# KiCad board Womo.kicad_pcb
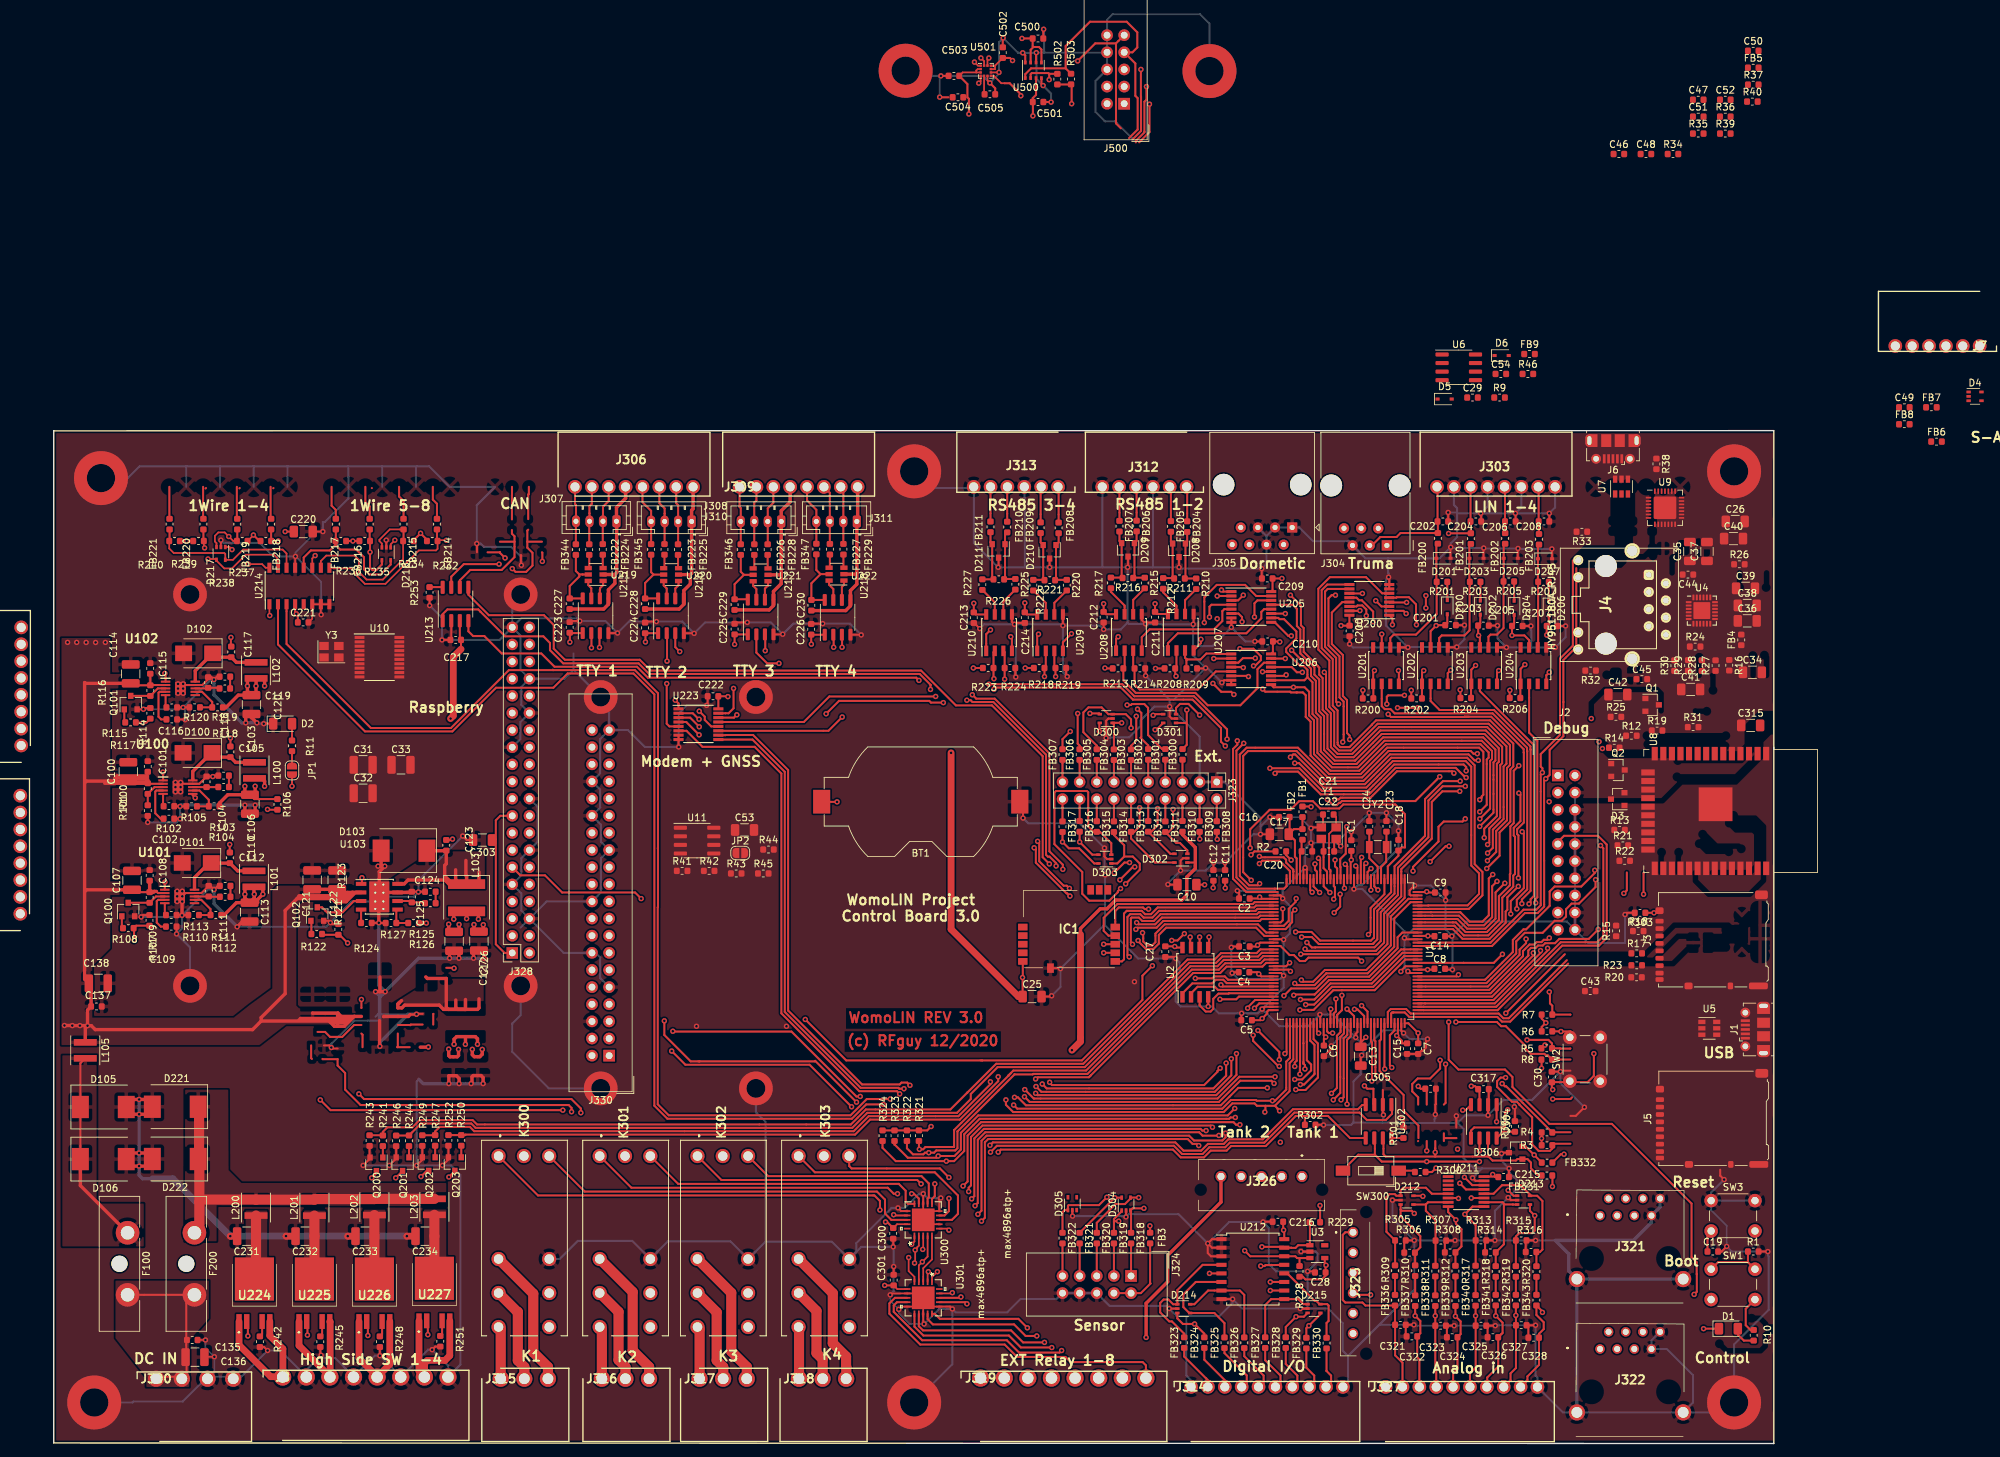
[diagram p0: board, top side]
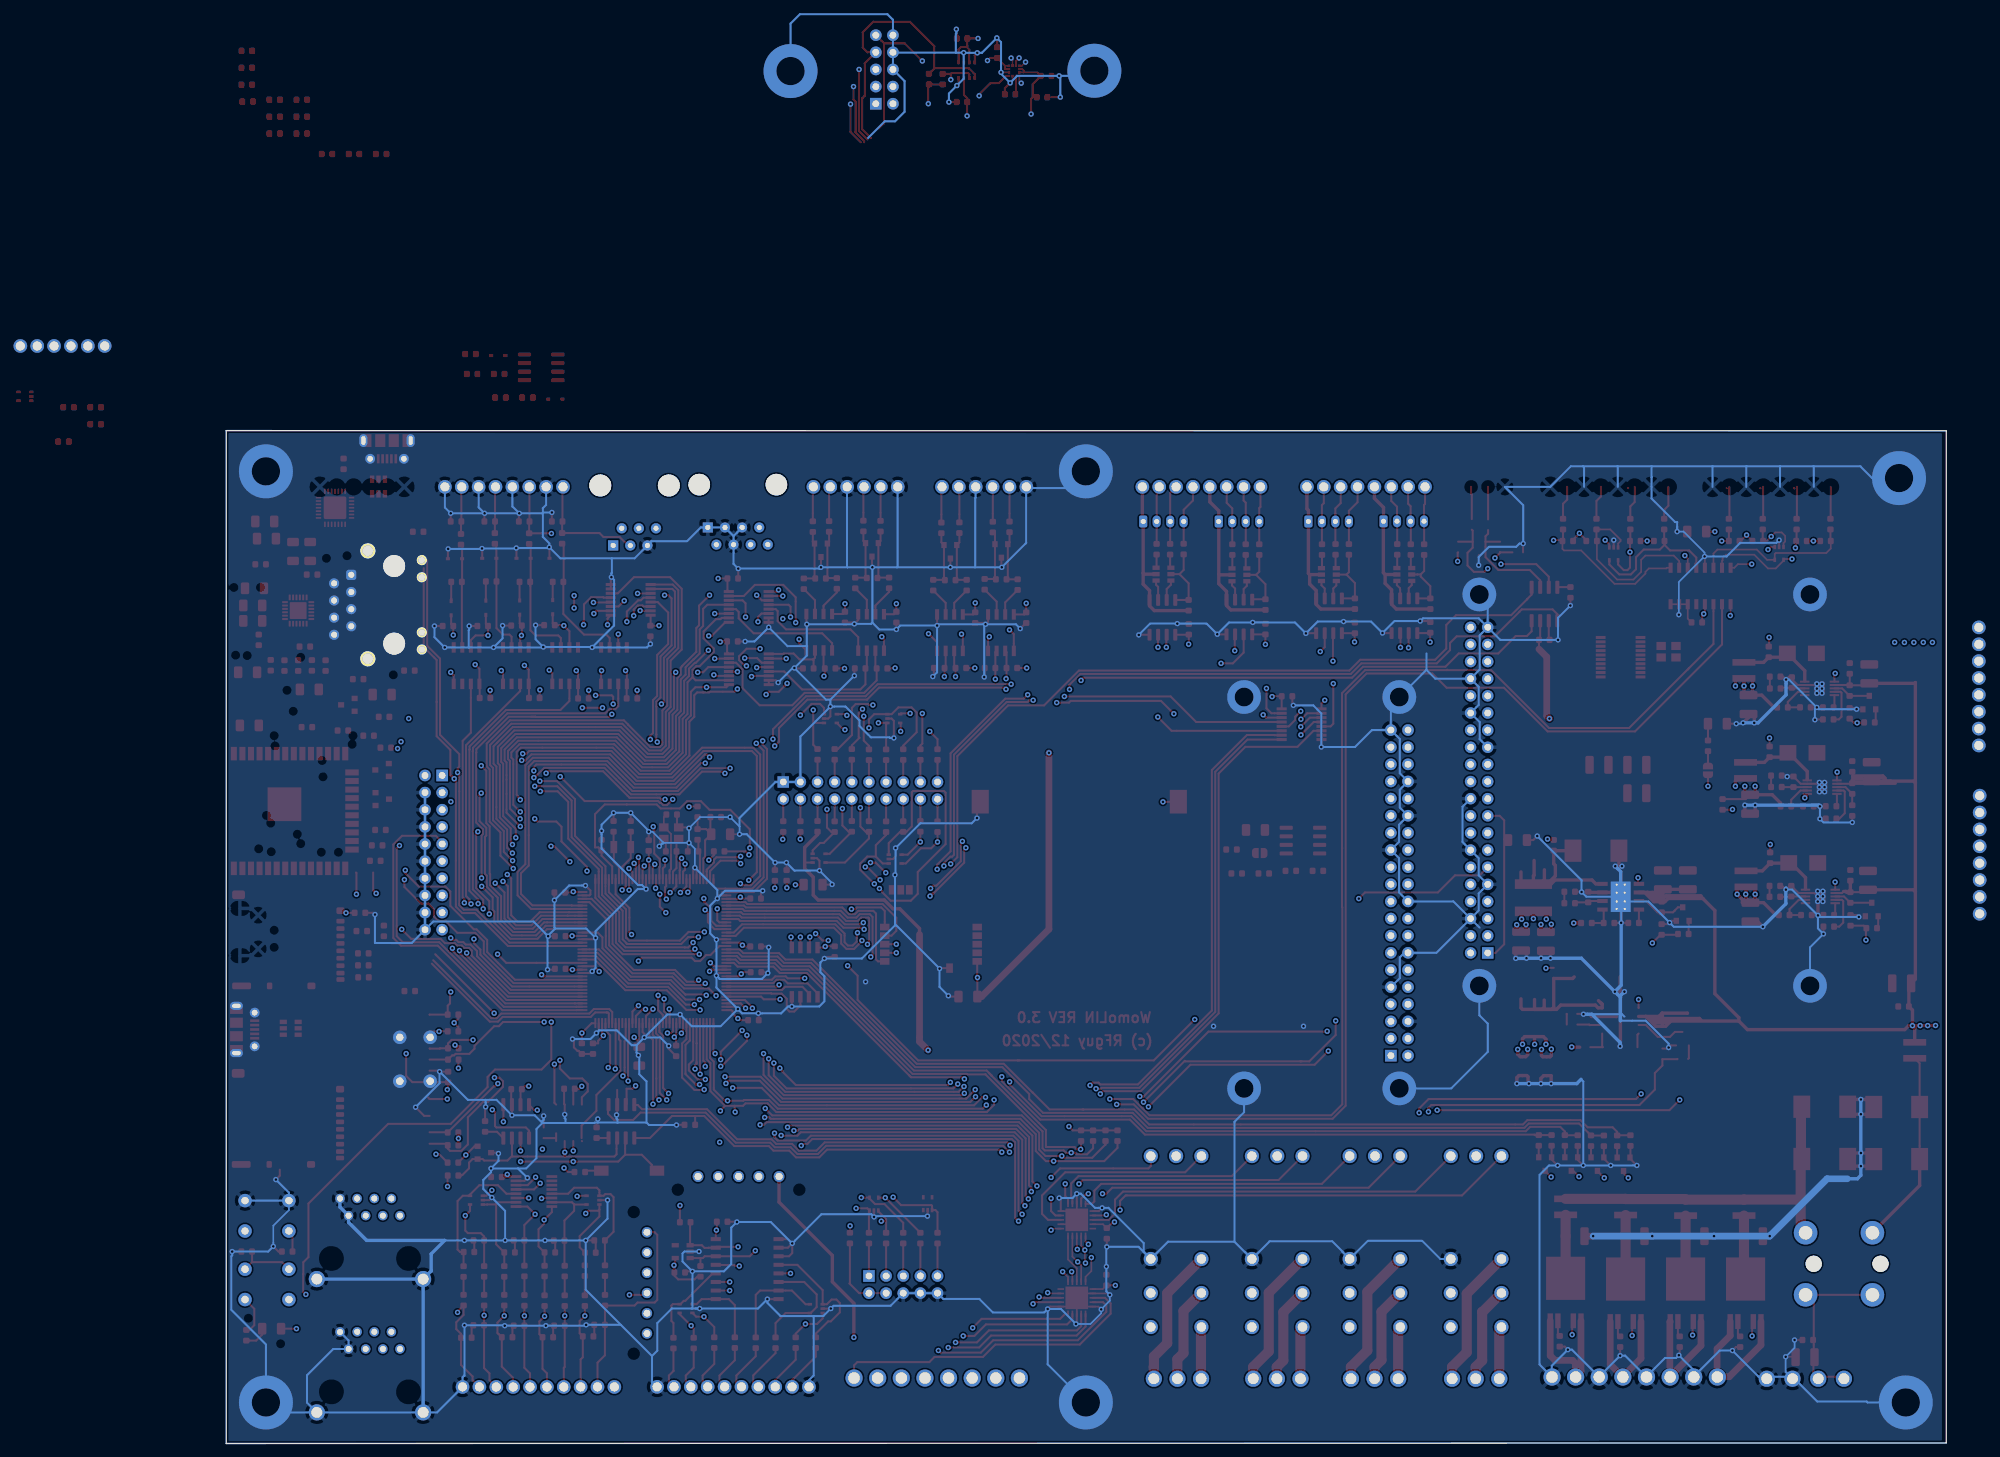
[diagram p1: board, bottom side, seen from below]

Outline 254.89 x 150.11 mm; copper layers: Top, In1.Cu, In2.Cu, Bottom. Coordinates in mm from the lower left corner of the outline.
Outline path: 0,150.08 0,0.08 254.89,0 254.89,150.11 0,150.08

## Placement (name value [footprint] x y rotation side)
BT1  Battery_Cell  [BatteryHolder_Keystone_1058_1x2032]  128.47 95.12 0 top
C1  100n  [C_0603_1608Metric]  192.28 88.62 90 top
C2  100n  [C_0603_1608Metric]  176.43 80.77 180 top
C3  100n  [C_0603_1608Metric]  176.43 73.66 180 top
C4  100n  [C_0603_1608Metric]  176.38 69.85 180 top
C5  100n  [C_0603_1608Metric]  176.76 62.74 180 top
C6  100n  [C_0603_1608Metric]  188.21 58.19 270 top
C7  100n  [C_0603_1608Metric]  202.19 58.52 270 top
C8  100n  [C_0603_1608Metric]  205.39 70.36 0 top
C9  100n  [C_0603_1608Metric]  205.46 81.66 0 top
C10  1u  [C_1206_3216Metric]  167.92 82.82 180 top
C11  10n  [C_0603_1608Metric]  173.57 84.2 90 top
C12  1u  [C_0603_1608Metric]  171.84 84.2 90 top
C13  1u  [C_1206_3216Metric]  193.68 57.4 270 top
C14  100n  [C_0603_1608Metric]  205.39 75.18 180 top
C15  100n  [C_0603_1608Metric]  200.53 58.52 90 top
C16  100n  [C_0603_1608Metric]  182.35 92.84 0 top
C17  1u  [C_1206_3216Metric]  181.61 90.3 0 top
C18  1u  [C_0603_1608Metric]  199.26 88.67 90 top
C19  100n  [C_0603_1608Metric]  245.85 28.45 0 top
C20  1u  [C_0603_1608Metric]  185.7 87.76 0 top
C21  6p8  [C_0603_1608Metric]  188.88 93.22 180 top
C22  6p8  [C_0603_1608Metric]  188.95 87.76 0 top
C23  4p7  [C_0603_1608Metric]  197.49 91.47 270 top
C24  4p7  [C_0603_1608Metric]  194.95 91.47 270 top
C25  1u  [C_1206_3216Metric]  144.98 66.24 0 top
C26  1u  [C_1206_3216Metric]  249.17 136.65 0 top
C27  100n  [C_0603_1608Metric]  164.72 72.9 270 top
C28  100n  [C_0603_1608Metric]  187.68 25.35 180 top
C29  100n  [C_0603_1608Metric]  210.24 155.02 0 top
C30  1u  [C_0603_1608Metric]  222 54.32 270 top
C31  2u2  [C_1210_3225Metric]  45.85 100.58 0 top
C32  2u2  [C_1210_3225Metric]  45.85 96.37 0 top
C33  47u  [C_1210_3225Metric]  51.46 100.58 0 top
C34  10u  [C_1206_3216Metric]  251.71 114.3 0 top
C35  2u2  [C_1206_3216Metric]  242.44 132.21 90 top
C36  22u  [C_1206_3216Metric]  250.95 121.92 0 top
C37  100n  [C_1206_3216Metric]  244.98 132.2 90 top
C38  100n  [C_1206_3216Metric]  250.95 124.21 0 top
C39  100n  [C_1206_3216Metric]  250.7 126.75 0 top
C40  22u  [C_1206_3216Metric]  248.92 134.11 0 top
C41  1u  [C_1206_3216Metric]  242.57 111.76 0 top
C42  100n  [C_1206_3216Metric]  231.78 111 0 top
C43  100n  [C_0603_1608Metric]  227.69 67.06 0 top
C44  100n  [C_0603_1608Metric]  242.16 128.78 180 top
C45  100n  [C_0603_1608Metric]  235.33 113.28 0 top
C46  100n  [C_0603_1608Metric]  231.93 191.11 0 top
C47  100n  [C_0603_1608Metric]  243.69 199.16 0 top
C48  100n  [C_0603_1608Metric]  235.94 191.11 0 top
C49  100n  [C_0603_1608Metric]  274.23 153.57 0 top
C50  22p  [C_0603_1608Metric]  251.84 206.41 0 top
C51  22p  [C_0603_1608Metric]  243.69 196.65 0 top
C52  100n  [C_0603_1608Metric]  247.7 199.16 0 top
C53  1u  [C_1206_3216Metric]  102.36 90.93 0 top
C54  220p  [C_0603_1608Metric]  214.44 158.52 0 top
C100  2u2  [C_1210_3225Metric]  11.05 99.57 90 top
C101  100n  [C_0603_1608Metric]  13.93 100.34 90 top
C102  10n  [C_0603_1608Metric]  17.07 92.61 0 top
C103  100n  [C_0603_1608Metric]  26.18 102.51 90 top
C104  6p8  [C_0603_1608Metric]  22.65 98.07 270 top
C105  2n7  [C_0603_1608Metric]  25.17 98.98 0 top
C106  22u  [C_1210_3225Metric]  29.07 94.75 270 top
C107  2u2  [C_1210_3225Metric]  11.6 83.46 90 top
C108  100n  [C_0603_1608Metric]  14.21 84.2 90 top
C109  10n  [C_0603_1608Metric]  17.41 76.61 0 top
C110  100n  [C_0603_1608Metric]  26.1 86.8 90 top
C111  6p8  [C_0603_1608Metric]  22.96 81.86 270 top
C112  2n7  [C_0603_1608Metric]  25.4 82.64 0 top
C113  22u  [C_1210_3225Metric]  29.02 78.76 270 top
C114  2u2  [C_1210_3225Metric]  11.41 114.06 90 top
C115  100n  [C_0603_1608Metric]  14.3 114.87 90 top
C116  10n  [C_0603_1608Metric]  17.49 107.31 0 top
C117  100n  [C_0603_1608Metric]  26.3 117.32 90 top
C118  6p8  [C_0603_1608Metric]  22.89 112.79 270 top
C119  2n7  [C_0603_1608Metric]  25.36 113.65 0 top
C120  22u  [C_1210_3225Metric]  29.3 109.51 270 top
C121  2u2  [C_1210_3225Metric]  38.29 83.53 90 top
C122  2u2  [C_1210_3225Metric]  42 83.53 90 top
C123  100n  [C_0603_1608Metric]  58.17 88.66 90 top
C124  4n7  [C_0603_1608Metric]  55.8 81.78 180 top
C125  47p  [C_0603_1608Metric]  53.06 80.99 90 top
C126  47u  [C_1210_3225Metric]  63.01 74.46 270 top
C127  47u  [C_1210_3225Metric]  59.32 74.42 270 top
C135  100n  [C_0603_1608Metric]  20.52 15.34 0 top
C136  2u2  [C_1210_3225Metric]  20.93 12.8 0 top
C137  100n  [C_0603_1608Metric]  6.33 64.77 0 top
C138  2u2  [C_1210_3225Metric]  6.6 68.2 0 top
C200  100n  [C_0603_1608Metric]  192.02 120.42 270 top
C201  100n  [C_0603_1608Metric]  206.99 121.28 180 top
C202  220p  [C_0603_1608Metric]  205.84 136.65 0 top
C203  100n  [C_0603_1608Metric]  211.86 121.22 180 top
C204  220p  [C_0603_1608Metric]  210.73 136.65 0 top
C205  100n  [C_0603_1608Metric]  216.88 121.16 180 top
C206  220p  [C_0603_1608Metric]  215.84 136.65 0 top
C207  100n  [C_0603_1608Metric]  222.02 121.16 180 top
C208  220p  [C_0603_1608Metric]  220.83 136.65 0 top
C209  100n  [C_0603_1608Metric]  179.82 128.21 180 top
C210  100n  [C_0603_1608Metric]  179.87 118.87 180 top
C211  100n  [C_0603_1608Metric]  163.2 122.47 90 top
C212  100n  [C_0603_1608Metric]  155.58 122.47 90 top
C213  100n  [C_0603_1608Metric]  136.34 122.39 90 top
C214  100n  [C_0603_1608Metric]  143.89 122.4 90 top
C215  100n  [C_0603_1608Metric]  214.85 39.5 180 top
C216  100n  [C_0603_1608Metric]  181.39 32.87 0 top
C217  100n  [C_0603_1608Metric]  59.56 119.1 0 top
C220  1u  [C_1206_3216Metric]  36.98 135.15 0 top
C221  100n  [C_0603_1608Metric]  36.96 121.69 0 top
C222  100n  [C_0603_1608Metric]  97.69 110.74 180 top
C223  100n  [C_0603_1608Metric]  76.46 120.95 90 top
C224  100n  [C_0603_1608Metric]  87.63 120.88 90 top
C225  100n  [C_0603_1608Metric]  100.89 120.7 90 top
C226  100n  [C_0603_1608Metric]  112.24 120.68 90 top
C227  100n  [C_0603_1608Metric]  76.46 124.46 90 top
C228  100n  [C_0603_1608Metric]  87.63 124.46 90 top
C229  100n  [C_0603_1608Metric]  100.89 124.33 90 top
C230  100n  [C_0603_1608Metric]  112.27 124.23 90 top
C231  10u  [C_1210_3225Metric]  28.57 30.73 180 top
C232  10u  [C_1210_3225Metric]  37.23 30.73 180 top
C233  10u  [C_1210_3225Metric]  46.12 30.73 180 top
C234  10u  [C_1210_3225Metric]  55.01 30.73 180 top
C300  100n  [C_0603_1608Metric]  124.4 31.14 90 top
C301  100n  [C_0603_1608Metric]  124.46 24.22 270 top
C303  1u  [C_1206_3216Metric]  63.54 89.43 180 top
C305  100n  [C_0603_1608Metric]  204.03 52.58 180 top
C315  1u  [C_1206_3216Metric]  251.46 106.43 0 top
C317  100n  [C_0603_1608Metric]  211.86 52.51 180 top
C321  100p  [C_0603_1608Metric]  199.56 17.59 0 top
C322  100p  [C_0603_1608Metric]  201.26 15.88 180 top
C323  100p  [C_0603_1608Metric]  205.51 17.46 0 top
C324  100p  [C_0603_1608Metric]  207.23 15.75 180 top
C325  100p  [C_0603_1608Metric]  211.49 17.46 0 top
C326  100p  [C_0603_1608Metric]  213.26 15.75 180 top
C327  100p  [C_0603_1608Metric]  217.46 17.53 0 top
C328  100p  [C_0603_1608Metric]  219.3 15.68 180 top
C500  100n  [C_0603_1608Metric]  145.85 208.23 0 top
C501  100n  [C_0603_1608Metric]  145.86 198.82 0 top
C502  100n  [C_0603_1608Metric]  140.63 206.13 90 top
C503  100n  [C_0603_1608Metric]  133.39 202.69 180 top
C504  1u  [C_0603_1608Metric]  133.99 199.52 180 top
C505  220n  [C_0603_1608Metric]  138.72 199.96 0 top
D1  LED  [LED_1206_3216Metric]  248.16 17.02 0 top
D2  LED  [LED_1206_3216Metric]  33.91 106.68 0 top
D3  BAT54C  [SOT-23]  231.76 95.5 180 top
D4  SP0504BAJT  [SOT-353_SC-70-5]  284.71 155.19 0 top
D5  D  [D_SOD-323]  206.11 154.8 0 top
D6  ESDLIN1524BJ  [D_SOD-323]  214.56 161.25 0 top
D100  B260  [D_SMB]  21.31 102.36 180 top
D101  B260  [D_SMB]  21.19 86.04 180 top
D102  B260  [D_SMB]  21.4 117.11 180 top
D103  B560C  [D_SMC]  51.91 87.86 180 top
D105  B560C  [D_SMC]  7.35 49.87 0 top
D106  B560C  [D_SMC]  7.35 42.15 0 top
D200  D  [D_SOD-323]  206.5 123.95 270 top
D201  ESDLIN1524BJ  [D_SOD-323]  205.93 131.19 0 top
D202  D  [D_SOD-323]  211.39 123.89 270 top
D203  ESDLIN1524BJ  [D_SOD-323]  210.82 131.19 0 top
D204  D  [D_SOD-323]  216.41 123.86 270 top
D205  ESDLIN1524BJ  [D_SOD-323]  215.9 131.19 0 top
D206  D  [D_SOD-323]  221.55 123.8 270 top
D207  ESDLIN1524BJ  [D_SOD-323]  220.98 131.13 0 top
D208  NUP2105L  [SOT-23]  166.75 132.38 270 top
D209  NUP2105L  [SOT-23]  159.19 132.44 270 top
D210  NUP2105L  [SOT-23]  147.57 132.16 270 top
D211  NUP2105L  [SOT-23]  140.01 132.29 270 top
D212  SP0504BAJT  [SOT-353_SC-70-5]  200.53 36.07 0 top
D213  SP0504BAJT  [SOT-353_SC-70-5]  217.8 36.07 0 top
D214  SP0504BAJT  [SOT-353_SC-70-5]  167.45 19.99 0 top
D215  SP0504BAJT  [SOT-353_SC-70-5]  186.75 20 0 top
D217  SP0504BAJT  [SOT-353_SC-70-5]  24.77 131.92 270 top
D218  SP0504BAJT  [SOT-353_SC-70-5]  49.28 131.85 270 top
D221  B560C  [D_SMC]  18.01 49.91 180 top
D222  B560C  [D_SMC]  18.01 42.16 180 top
D300  SP0504BAJT  [SOT-353_SC-70-5]  155.96 107.44 180 top
D301  SP0504BAJT  [SOT-353_SC-70-5]  165.36 107.44 180 top
D302  SP0504BAJT  [SOT-353_SC-70-5]  167.03 86.75 180 top
D303  SP0504BAJT  [SOT-353_SC-70-5]  155.76 86.62 180 top
D304  SP0504BAJT  [SOT-353_SC-70-5]  158.9 35.48 90 top
D305  SP0504BAJT  [SOT-353_SC-70-5]  150.94 35.54 90 top
D306  NUP2105L  [SOT-23]  216.63 43.1 180 top
F100  KFZ 5A  [Fuseholder_Blade_ATO_Littelfuse_Pudenz_2_Pin]  10.94 31.23 270 top
F200  KFZ 10A  [Fuseholder_Blade_ATO_Littelfuse_Pudenz_2_Pin]  20.85 31.23 270 top
FB1  100R  [L_0603_1608Metric]  185.04 90.27 270 top
FB2  100R  [L_0603_1608Metric]  185.04 93.62 90 top
FB3  100R  [L_0603_1608Metric]  162.46 30.45 90 top
FB4  100R  [L_0603_1608Metric]  250.06 119.1 90 top
FB5  100R  [L_0603_1608Metric]  251.84 203.9 0 top
FB6  100R  [L_0603_1608Metric]  278.99 148.49 0 top
FB7  100R  [L_0603_1608Metric]  278.24 153.57 0 top
FB8  100R  [L_0603_1608Metric]  274.23 151.06 0 top
FB9  100R  [L_0603_1608Metric]  218.69 161.47 0 top
FB200  100R  [L_0603_1608Metric]  205.11 134.15 270 top
FB201  100R  [L_0603_1608Metric]  210 134.11 270 top
FB202  100R  [L_0603_1608Metric]  215.08 134.14 270 top
FB203  100R  [L_0603_1608Metric]  220.09 134.01 270 top
FB204  100R  [L_0603_1608Metric]  167.96 135.89 270 top
FB205  100R  [L_0603_1608Metric]  165.54 135.92 270 top
FB206  100R  [L_0603_1608Metric]  160.46 135.98 270 top
FB207  100R  [L_0603_1608Metric]  157.92 135.95 270 top
FB208  100R  [L_0603_1608Metric]  148.91 135.7 270 top
FB209  100R  [L_0603_1608Metric]  146.24 135.72 270 top
FB210  100R  [L_0603_1608Metric]  141.29 135.83 270 top
FB211  100R  [L_0603_1608Metric]  138.81 135.85 270 top
FB214  100R  [L_0603_1608Metric]  56.79 136.26 270 top
FB215  100R  [L_0603_1608Metric]  51.83 136.26 270 top
FB216  100R  [L_0603_1608Metric]  46.82 136.26 270 top
FB217  100R  [L_0603_1608Metric]  41.8 136.26 270 top
FB218  100R  [L_0603_1608Metric]  32.21 136.26 270 top
FB219  100R  [L_0603_1608Metric]  27.2 136.26 270 top
FB220  100R  [L_0603_1608Metric]  22.18 136.26 270 top
FB221  100R  [L_0603_1608Metric]  17.16 136.26 270 top
FB222  100R  [L_0603_1608Metric]  79.35 132.49 270 top
FB223  100R  [L_0603_1608Metric]  90.5 132.51 270 top
FB224  100R  [L_0603_1608Metric]  81.36 132.51 270 top
FB225  100R  [L_0603_1608Metric]  92.51 132.49 270 top
FB226  100R  [L_0603_1608Metric]  103.81 132.49 270 top
FB227  100R  [L_0603_1608Metric]  115.01 132.54 270 top
FB228  100R  [L_0603_1608Metric]  105.79 132.49 270 top
FB229  100R  [L_0603_1608Metric]  117.02 132.54 270 top
FB300  100R  [L_0603_1608Metric]  167.26 102.13 90 top
FB301  100R  [L_0603_1608Metric]  164.72 102.13 90 top
FB302  100R  [L_0603_1608Metric]  162.18 102.13 90 top
FB303  100R  [L_0603_1608Metric]  159.64 102.08 90 top
FB304  100R  [L_0603_1608Metric]  157.1 102.08 90 top
FB305  100R  [L_0603_1608Metric]  154.56 102.11 90 top
FB306  100R  [L_0603_1608Metric]  152.02 102.11 90 top
FB307  100R  [L_0603_1608Metric]  149.48 102.11 90 top
FB308  100R  [L_0603_1608Metric]  172.34 91.44 270 top
FB309  100R  [L_0603_1608Metric]  169.8 91.44 270 top
FB310  100R  [L_0603_1608Metric]  167.26 91.47 270 top
FB311  100R  [L_0603_1608Metric]  164.72 91.41 270 top
FB312  100R  [L_0603_1608Metric]  162.18 91.47 270 top
FB313  100R  [L_0603_1608Metric]  159.64 91.44 270 top
FB314  100R  [L_0603_1608Metric]  157.1 91.41 270 top
FB315  100R  [L_0603_1608Metric]  154.56 91.44 270 top
FB316  100R  [L_0603_1608Metric]  152.02 91.47 270 top
FB317  100R  [L_0603_1608Metric]  149.48 91.41 270 top
FB318  100R  [L_0603_1608Metric]  159.64 30.44 270 top
FB319  100R  [L_0603_1608Metric]  157.1 30.44 270 top
FB320  100R  [L_0603_1608Metric]  154.56 30.44 270 top
FB321  100R  [L_0603_1608Metric]  152.02 30.44 270 top
FB322  100R  [L_0603_1608Metric]  149.48 30.44 270 top
FB323  100R  [L_0603_1608Metric]  167.51 14.95 90 top
FB324  100R  [L_0603_1608Metric]  170.5 14.95 90 top
FB325  100R  [L_0603_1608Metric]  173.48 14.93 90 top
FB326  100R  [L_0603_1608Metric]  176.42 14.93 90 top
FB327  100R  [L_0603_1608Metric]  179.52 14.95 90 top
FB328  100R  [L_0603_1608Metric]  182.56 14.95 90 top
FB329  100R  [L_0603_1608Metric]  185.61 14.88 90 top
FB330  100R  [L_0603_1608Metric]  188.61 14.88 90 top
FB331  100R  [L_0603_1608Metric]  221.27 39.71 180 top
FB332  100R  [L_0603_1608Metric]  221.29 41.63 180 top
FB336  100R  [L_0603_1608Metric]  198.76 21.23 90 top
FB337  100R  [L_0603_1608Metric]  201.74 21.17 90 top
FB338  100R  [L_0603_1608Metric]  204.73 21.17 90 top
FB339  100R  [L_0603_1608Metric]  207.71 21.17 90 top
FB340  100R  [L_0603_1608Metric]  210.69 21.21 90 top
FB341  100R  [L_0603_1608Metric]  213.68 21.25 90 top
FB342  100R  [L_0603_1608Metric]  216.66 21.25 90 top
FB343  100R  [L_0603_1608Metric]  219.71 21.25 90 top
FB344  100R  [L_0603_1608Metric]  77.37 132.49 270 top
FB345  100R  [L_0603_1608Metric]  88.52 132.51 270 top
FB346  100R  [L_0603_1608Metric]  101.8 132.49 270 top
FB347  100R  [L_0603_1608Metric]  113.01 132.56 270 top
IC1  SPSGRFC-868  [SPSGRFC868]  150.45 76.26 0 top
J1  USB_B_Micro  [USB_Micro-B_Molex-105017-0001]  252.13 61.36 90 top
J2  Conn_ARM_JTAG_SWD_20  [IDC-Header_2x10_P2.54mm_Vertical]  222.89 99.01 0 top
J3  Connector_Micro_SD_Card_Det_Hirose_DM3AT  [mico_sd]  245.68 74.64 90 top
J4  -  [HY951180A_RJ45]  230 124.3 270 top
J5  Connector_Micro_SD_Card_Det_Hirose_DM3AT  [mico_sd]  245.74 48.19 90 top
J6  USB_B_Micro  [USB_Micro-B_Molex-105017-0001]  231.06 147.4 180 top
J7  733-366  [SHDR6W80P0X250_1X6_1750X890X780P]  285.39 162.66 180 top
J8  734-168  [SHDR8W150P350X350_1X8_3040X1030X860P]  33.92 9.86 0 top
J300  734-264  [SHDR4W120P0X381_1X4_1640X1030X850P]  15.16 9.6 0 top
J301  733-368  [SHDR8W80P0X250_1X8_2250X890X780P]  -4.82 103.45 90 top
J302  733-368  [SHDR8W80P0X250_1X8_2250X890X780P]  -4.95 78.51 90 top
J303  733-368  [SHDR8W80P0X250_1X8_2250X890X780P]  204.98 141.78 0 top
J304  Truma  [RJ12_Amphenol_54601]  197.54 133.1 180 top
J305  Dormetic  [RJ45_Amphenol_54602-x08_Horizontal]  183.52 135.76 180 top
J306  733-368  [SHDR8W80P0X250_1X8_2250X890X780P]  77.24 141.78 0 top
J307  Conn_01x04  [JST_PH_B4B-PH-K_1x04_P2.00mm_Vertical]  83.39 136.68 180 top
J308  Conn_01x04  [JST_PH_B4B-PH-K_1x04_P2.00mm_Vertical]  94.52 136.65 180 top
J309  733-368  [SHDR8W80P0X250_1X8_2250X890X780P]  101.63 141.78 0 top
J310  Conn_01x04  [JST_PH_B4B-PH-K_1x04_P2.00mm_Vertical]  107.8 136.65 180 top
J311  Conn_01x04  [JST_PH_B4B-PH-K_1x04_P2.00mm_Vertical]  119.01 136.65 180 top
J312  733-366  [SHDR6W80P0X250_1X6_1750X890X780P]  167.87 141.78 180 top
J313  733-366  [SHDR6W80P0X250_1X6_1750X890X780P]  148.82 141.78 180 top
J314  733-370  [SHDR10W80P0X250_1X10_2750X890X780P]  168.53 8.39 0 top
J315  734-163  [SHDR3W100P0X350_1X3_1290X1030X850P]  66.23 9.6 0 top
J316  734-163  [SHDR3W100P0X350_1X3_1290X1030X850P]  81.22 9.6 0 top
J317  734-163  [SHDR3W100P0X350_1X3_1290X1030X850P]  95.69 9.6 0 top
J318  734-163  [SHDR3W100P0X350_1X3_1290X1030X850P]  110.43 9.6 0 top
J319  734-168  [SHDR8W150P350X350_1X8_3040X1030X860P]  137.34 9.7 0 top
J321  -  [615008138221]  229.14 33.77 0 top
J322  -  [615008138221]  229.13 14.01 0 top
J323  Spare  [PinHeader_2x10_P2.54mm_Vertical]  172.34 98.04 270 top
J324  SENSOR  [IDC-Header_2x05_P2.54mm_Vertical]  159.64 24.83 270 top
J325  Wasser  [436500628]  192.53 31.31 90 top
J326  Abwasser  [436500527]  184.96 39.57 0 top
J327  733-370  [SHDR10W80P0X250_1X10_2750X890X780P]  197.36 8.38 0 top
J328  Raspberry_Pi_2_3  [PinSocket_2x20_P2.54mm_Vertical]  67.95 72.71 180 top
J330  Waveshare IoT Hat  [IDC-Header_2x20_P2.54mm_Vertical]  82.3 57.48 180 top
J500  SENSOR  [IDC-Header_2x05_P2.54mm_Vertical]  158.62 198.56 180 top
JP1  SolderJumper_2_Open  [SolderJumper-2_P1.3mm_Open_RoundedPad1.0x1.5mm]  35.31 99.76 90 top
JP2  SolderJumper_2_Open  [SolderJumper-2_P1.3mm_Open_RoundedPad1.0x1.5mm]  101.73 87.51 0 top
K300  5-1393243-2  [513932432]  65.92 17.26 270 top
K301  5-1393243-2  [513932432]  80.9 17.26 270 top
K302  5-1393243-2  [513932432]  95.39 17.26 270 top
K303  5-1393243-2  [513932432]  110.38 17.26 270 top
L100  10u  [L_Coilcraft_XxL4040]  29.74 99.76 270 top
L101  10u  [L_Coilcraft_XxL4040]  29.67 83.68 270 top
L102  10u  [L_Coilcraft_XxL4040]  29.99 114.58 270 top
L103  7u2  [L_Coilcraft_XAL60xx_6.36x6.56mm]  61.18 80.89 270 top
L105  2u2  [L_Coilcraft_XxL4020]  4.67 58.27 270 top
L200  2u2  [L_Coilcraft_XxL4020]  29.97 34.97 90 top
L201  2u2  [L_Coilcraft_XxL4020]  38.63 34.96 90 top
L202  2u2  [L_Coilcraft_XxL4020]  47.52 35.04 90 top
L203  2u2  [L_Coilcraft_XxL4020]  56.41 35.07 90 top
Q1  MMBT3904  [SOT-23]  236.86 109.47 0 top
Q2  MMBT3904  [SOT-23]  231.79 99.82 0 top
Q100  2N7002  [SOT-23]  11.04 79.14 90 top
Q101  2N7002  [SOT-23]  11.41 109.81 90 top
Q102  2N7002  [SOT-23]  39.06 78.47 90 top
Q200  2N7002  [SOT-23]  47.82 41.39 270 top
Q201  2N7002  [SOT-23]  51.69 41.4 270 top
Q202  2N7002  [SOT-23]  55.57 41.42 270 top
Q203  2N7002  [SOT-23]  59.43 41.42 270 top
R1  10k  [R_0603_1608Metric]  251.84 28.45 0 top
R2  1k  [R_0603_1608Metric]  181.84 87.76 0 top
R3  47k  [R_0603_1608Metric]  221.27 44.2 0 top
R4  47k  [R_0603_1608Metric]  221.27 46.1 0 top
R5  47k  [R_0603_1608Metric]  221.23 58.57 0 top
R6  47k  [R_0603_1608Metric]  221.27 61.09 0 top
R7  47k  [R_0603_1608Metric]  221.27 63.56 0 top
R8  47k  [R_0603_1608Metric]  221.24 56.9 0 top
R9  10k  [R_0603_1608Metric]  214.25 155.02 0 top
R10  120R  [R_0603_1608Metric]  251.91 16.04 270 top
R11  120R  [R_0603_1608Metric]  35.31 103.4 90 top
R12  10k  [R_0603_1608Metric]  233.78 104.9 0 top
R13  10k  [R_0603_1608Metric]  232.03 90.93 0 top
R14  1k5  [R_0603_1608Metric]  231.24 103.12 0 top
R15  1k5  [R_0603_1608Metric]  231.52 75.97 90 top
R16  2k2  [R_0603_1608Metric]  248.29 115.34 270 top
R17  2k2  [R_0603_1608Metric]  234.57 72.64 0 top
R18  2k2  [R_0603_1608Metric]  234.8 75.95 0 top
R19  2k2  [R_0603_1608Metric]  237.59 105.66 0 top
R20  2k2  [R_0603_1608Metric]  234.54 69.09 0 top
R21  220  [R_0603_1608Metric]  232.51 88.65 0 top
R22  10  [R_0603_1608Metric]  232.79 86.36 0 top
R23  220  [R_0603_1608Metric]  234.57 70.87 180 top
R24  6k49  [R_0603_1608Metric]  243.23 118.11 0 top
R25  10k  [R_0603_1608Metric]  231.5 107.7 0 top
R26  330  [R_0603_1608Metric]  249.78 130.3 0 top